# Allegro board FMDEMOD-Long.brd
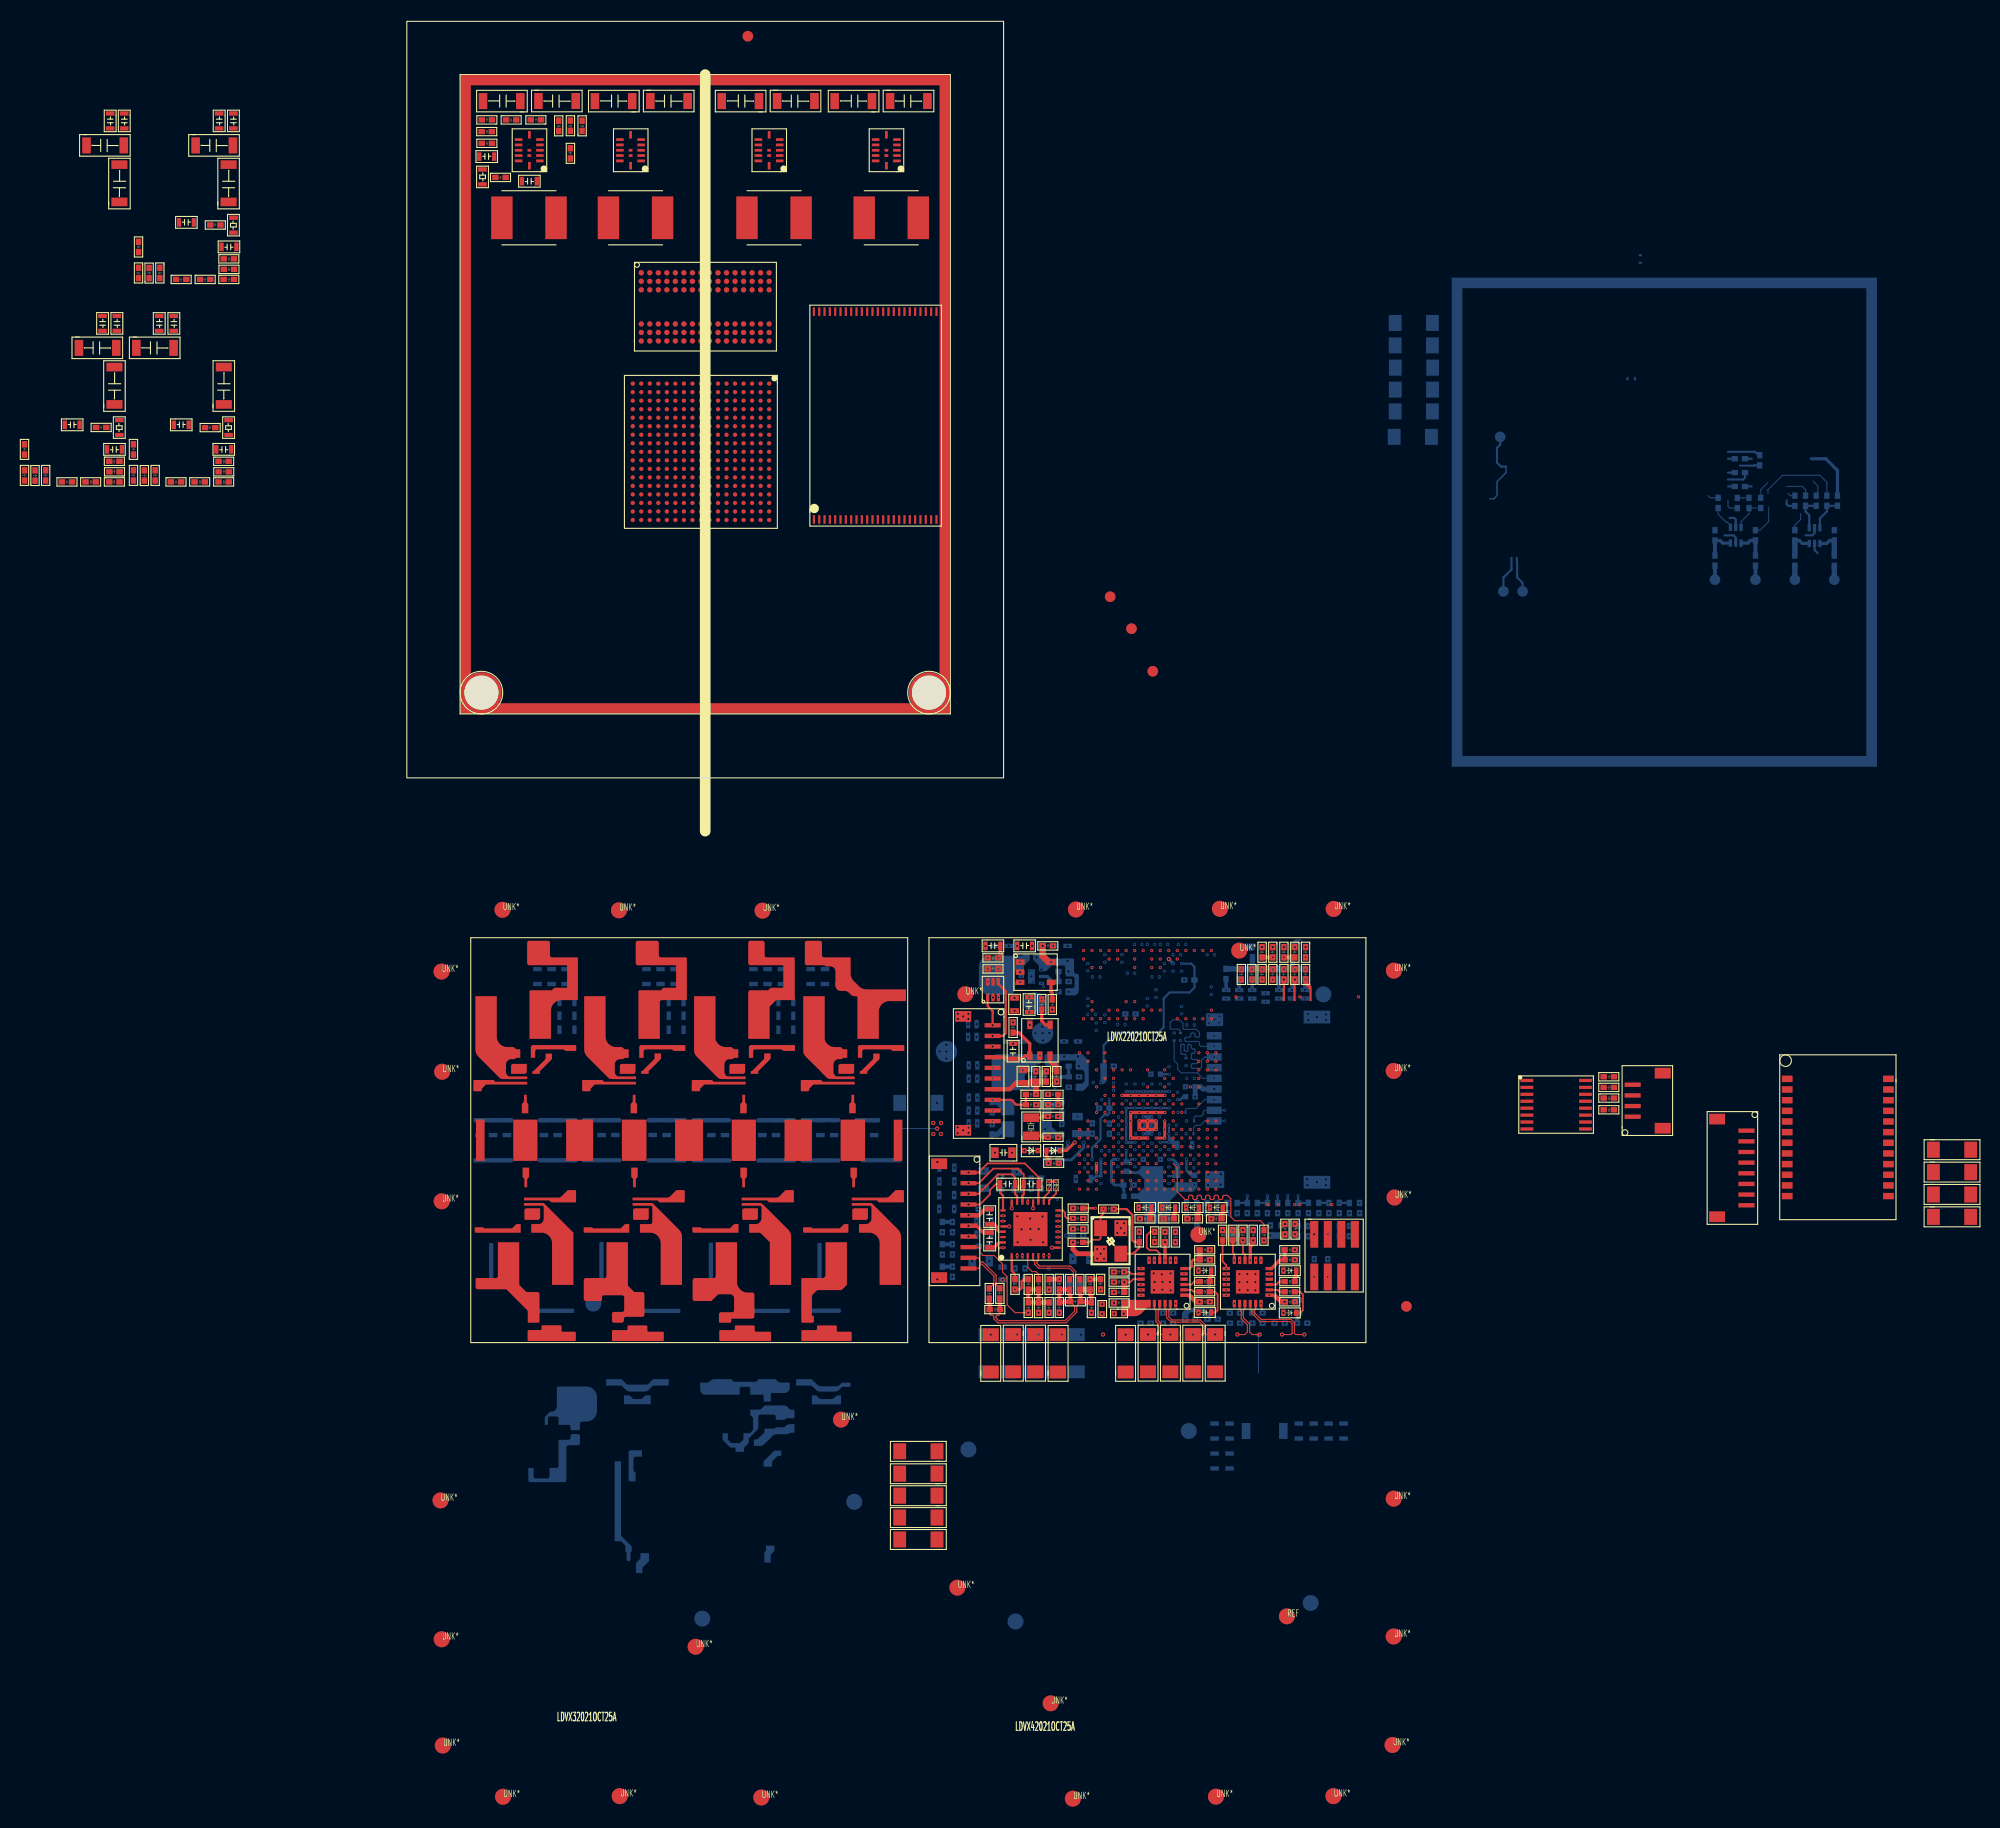
[diagram p0: board, top side]
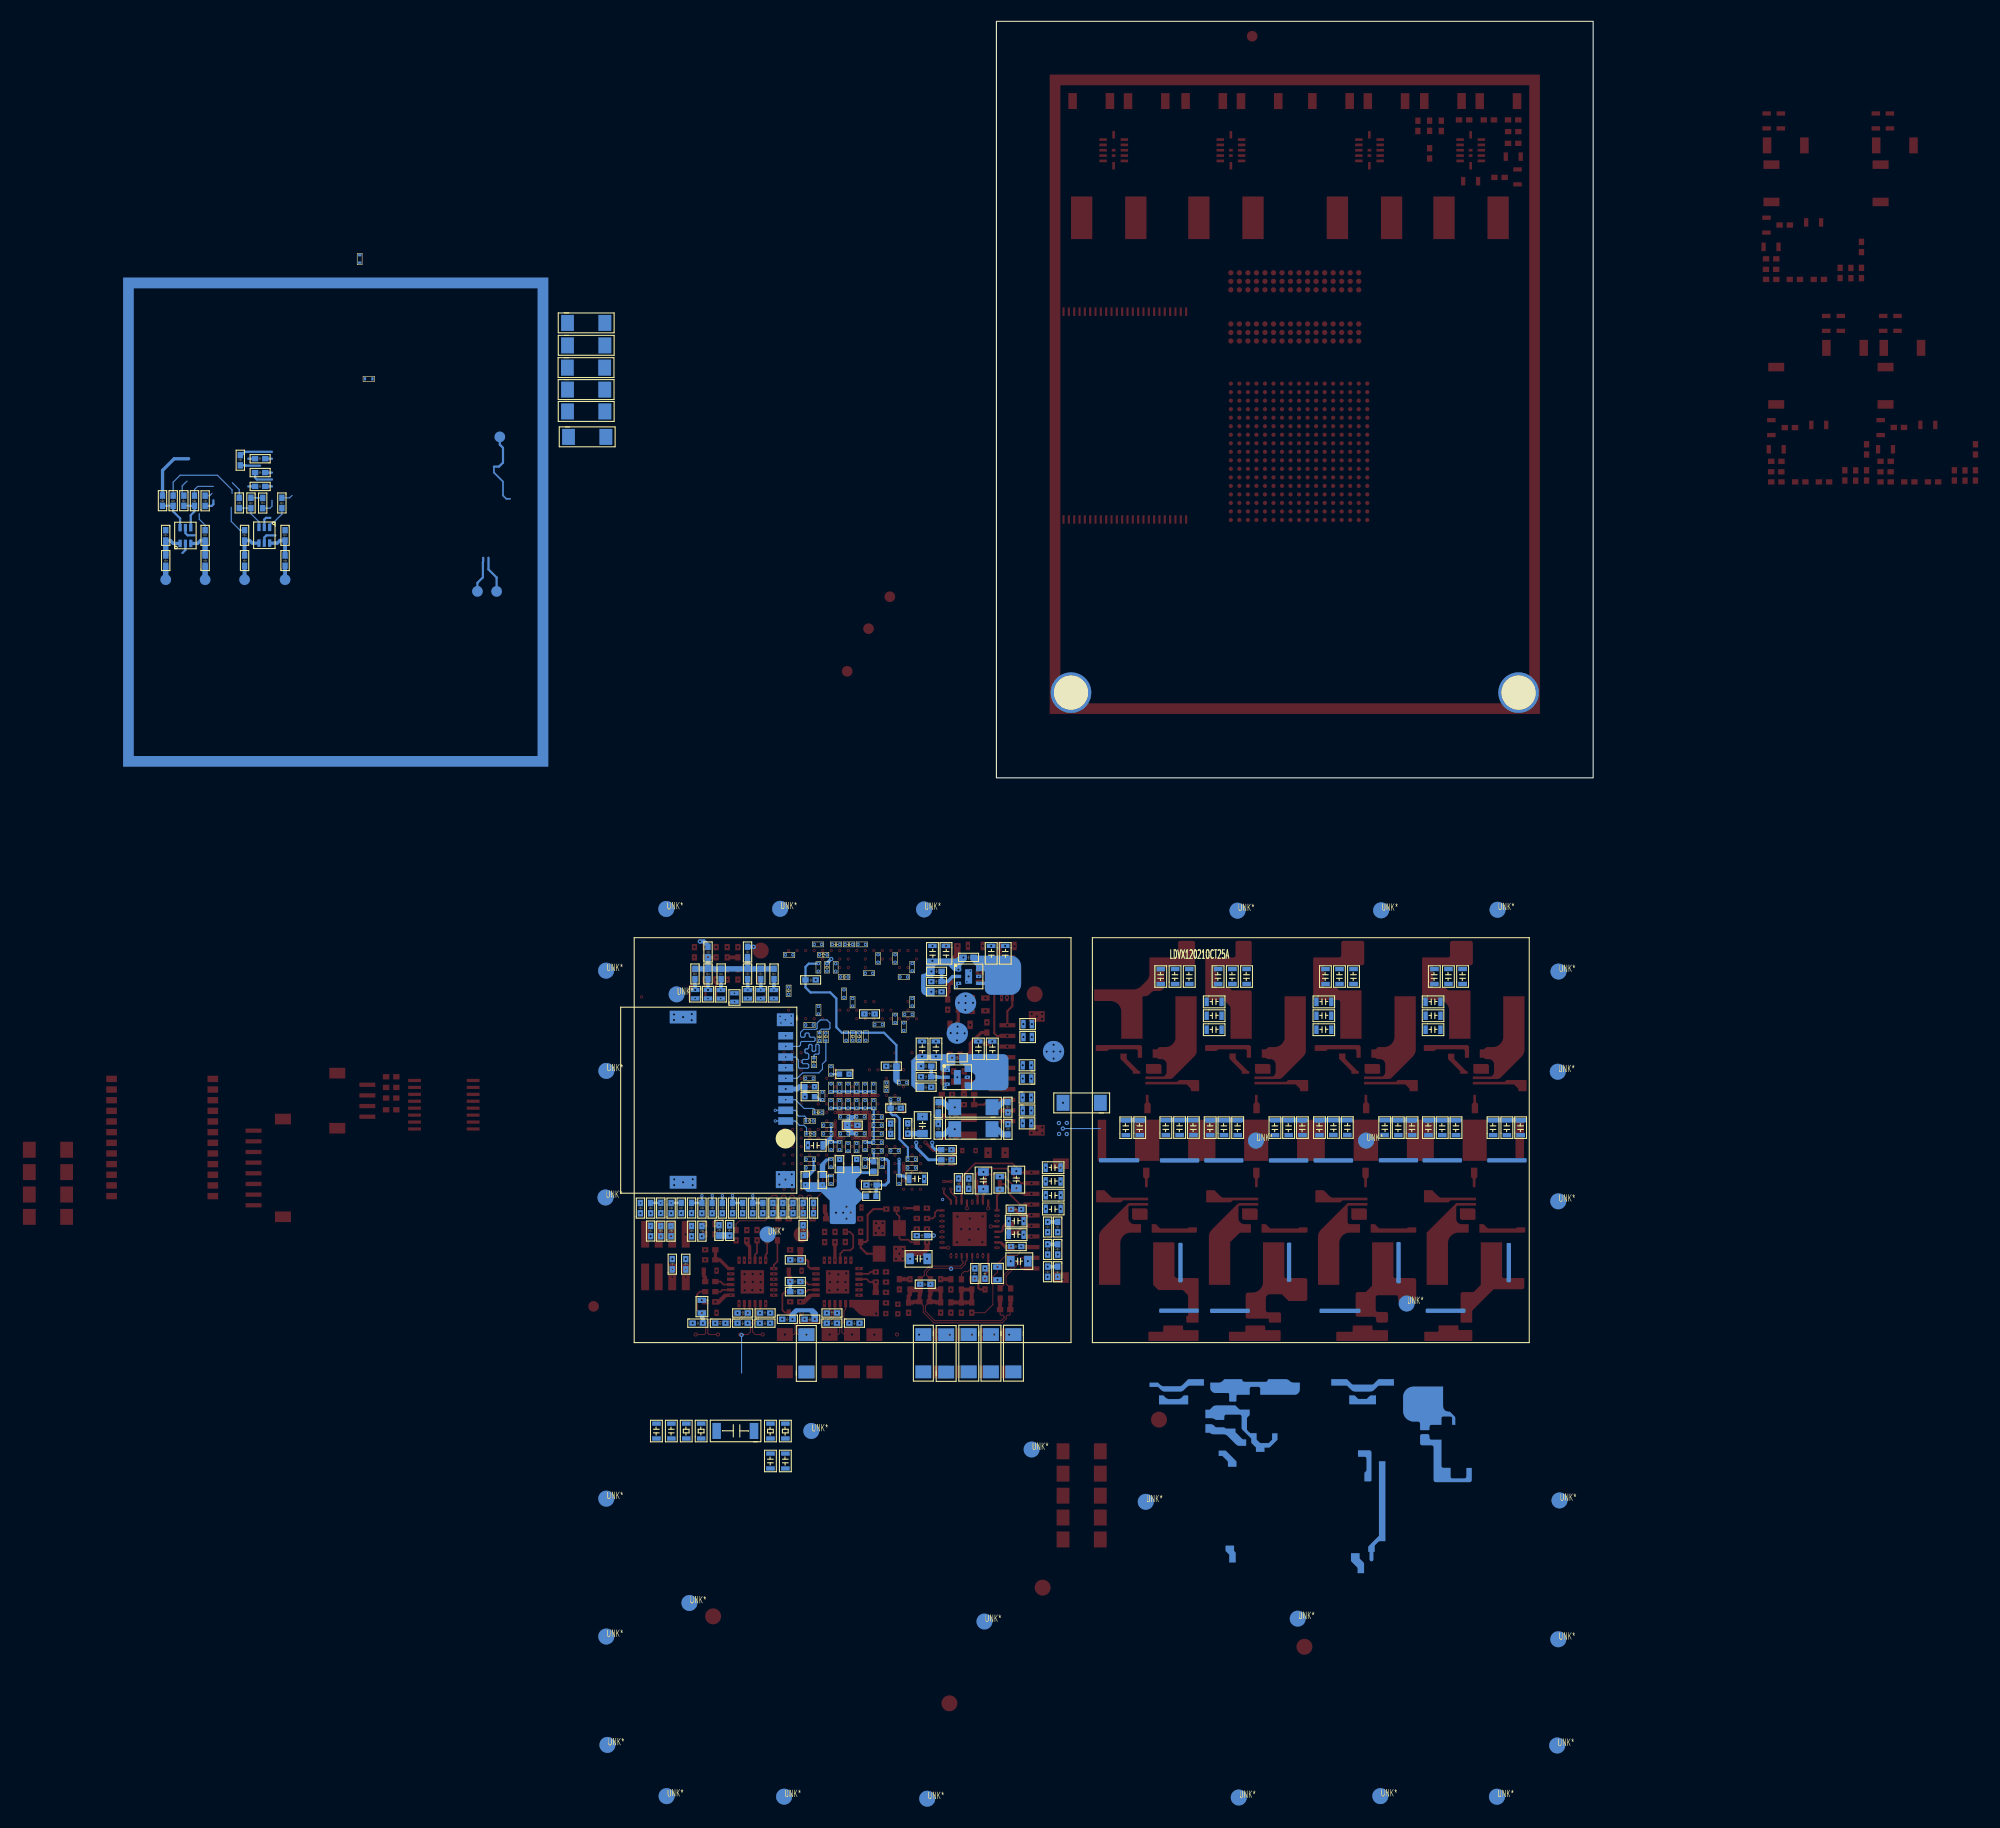
[diagram p1: board, bottom side, seen from below]

Outline 56 x 71 mm; copper layers: TOP, GND-L2, SIGNAL-L3, SIGNAL-L4, GND-L5, PWR-L6, SIGNAL-L7, SIGNAL-L8, GND-L9, BOTTOM. Coordinates in mm from the lower left corner of the outline.
Outline path: rectangle 0,0 56,71

## Design rules (mm)
constraint set DEFAULT: min track width 0.1
net group BOOT_MODE0: nets BOOT_MODE0 N8015227
net group BOOT_MODE1: nets BOOT_MODE1 N8015335
net group CPU_UART3_RXD: nets CPU_UART3_RXD MCU_UART1_TXD
net group CPU_UART3_TXD: nets CPU_UART3_TXD MCU_UART1_RXD
net group CPU_UART4_TXD: nets CPU_UART4_TXD CPU_UART4_TXD_X
net group E1R+: nets E1R+ ENET1_RXP
net group E1R-: nets E1R- ENET1_RXN
net group E1T+: nets E1T+ ENET1_TXP
net group E1T-: nets E1T- ENET1_TXN
net group E2R+: nets E2R+ ENET2_RXP
net group E2R-: nets E2R- ENET2_RXN
net group E2T+: nets E2T+ ENET2_TXP
net group E2T-: nets E2T- ENET2_TXN
net group ENET1_LED1: nets ENET1_LED1 N4216158
net group ENET1_LED2: nets ENET1_LED2 N4216162
net group ENET1_RX: nets ENET1_RX+ ENET1_RX-
net group ENET1_TX: nets ENET1_TX+ ENET1_TX-
net group ENET1_TX_CLK: nets ENET1_TX_CLK N4219956
net group ENET2_LED1: nets ENET2_LED1 N4226540
net group ENET2_LED2: nets ENET2_LED2 N4226544
net group ENET2_RX: nets ENET2_RX+ ENET2_RX-
net group ENET2_TX: nets ENET2_TX+ ENET2_TX-
net group ENET2_TX_CLK: nets ENET2_TX_CLK N4226762
net group FPGA_SPI2_CS: nets FPGA_SPI2_CS MCU_SPI2_NSS
net group FPGA_SPI2_MISO: nets FPGA_SPI2_MISO MCU_SPI2_MISO
net group FPGA_SPI2_MOSI: nets FPGA_SPI2_MOSI MCU_SPI2_MOSI
net group FPGA_SPI2_SCLK: nets FPGA_SPI2_SCLK MCU_SPI2_SCK
net group HP_L: nets HP_L N6357472
net group HP_R: nets HP_R N6357497
net group MCU_RST_CPU: nets MCU_RST_CPU NRST_CPU
net group N7119824: nets N7119824 N7119964
net group N7119928: nets N7119928 N7120000
net group N8184327: nets N8184327 N8184405
net group N8185005: nets N8185005 N8185070
net group N8189530: nets N8189530 N8189538
net group N8193321: nets N8193321 N8193329
net group N8193859: nets N8193859 N8193943
net group N8195603: nets N8195603 N8195611
net group N8196141: nets N8196141 N8196225
net group PMIC_ON_REQ: nets N8189916 PMIC_ON_REQ
net group POWER_GOOD: nets N8190068 POWER_GOOD
net group SDQS0N: nets SDQS0N SDQS0P
net group SDQS1N: nets SDQS1N SDQS1P
net group SPK_LN: nets SPK_LN SPK_LP
net group SPK_RN: nets SPK_RN SPK_RP
net group USB_OTG1_D: nets USB_OTG1_DN USB_OTG1_DP
net group USB_OTG2_D: nets USB_OTG2_DN USB_OTG2_DP
net group XTALI: nets XTALI XTALO
net group 232_TXD: nets 232_TXD N7132401 N7303091 N7304159
net group AUDIO_OUT: nets AUDIO_OUT MIC1_IN MIC1P MIC2N MIC2N_IN MIC2N_IN2 MIC2P MIC2P_IN MIC2P_IN2 MICBIAS N4966591 N4966598 N4966923 N4971120
net group CPU_RST_MCU: nets CPU_RST_MCU FPGA_RST_MCU NRST_MCU
net group CPU_UART2_RXD: nets CPU_UART2_RXD ECSPI3_SCLK FPGA_SPI_SCLK
net group CPU_UART2_TXD: nets CPU_UART2_TXD ECSPI3_CS0 FPGA_SPI_CS
net group CPU_UART4_RXD: nets CPU_UART4_RXD CPU_UART4_RXD_X FPGA_UART_TXD
net group ECSPI3_MISO: nets ECSPI3_MISO FPGA_SPI_MISO N7356015
net group ECSPI3_MOSI: nets ECSPI3_MOSI FPGA_SPI_MOSI N7355971
net group LASER_TXD: nets LASER_TXD N7132405 N7132819 N7303177
net group LCD_DATA5: nets LCD_DATA5 LCD_DATA7 N7060523
net group LCD_DATA11: nets LCD_DATA6 LCD_DATA11 N7060478
net group MCU_UART3_RXD: nets MCU_UART3_RXD N7120840 N7301618
net group MCU_UART3_TXD: nets MCU_UART3_TXD N7120004 N7120715
net group MCU_UART4_RXD: nets MCU_UART4_RXD N7121019 N7301693
net group MCU_UART4_TXD: nets MCU_UART4_TXD N7121024 N7301681
net group MG4: nets SAI2_BCLK SAI2_MCLK SAI2_RXD SAI2_SYNC SAI2_TXD
net group MG5: nets ENET1_CRS_DV ENET1_RXD0 ENET1_RXD1 ENET1_RXER ENET1_TXD0 ENET1_TXD1 ENET1_TXEN
net group MG6: nets ENET2_CRS_DV ENET2_RXD0 ENET2_RXD1 ENET2_RXER ENET2_TXD0 ENET2_TXD1 ENET2_TXEN
net group MG_DATA0-7: nets D0 D1 D2 D3 D4 D5 D6 D7 DQM0
net group MG_DATA8-15: nets D8 D9 D10 D11 D12 D13 D14 D15 DQM1
net group MG_SDRAM_ADDRESS: nets BA0 BA1 BA2 CS0 CS1
net group N4254817: nets N4254817 N4254839 N4254858 N4255061 N4255753
net group NG1: nets A0 A1 A2 A3 A4 A5 A6 A7 A8 A9 A10 A11 A12 A13 A14 A15
net group PHY_UART_RX1: nets N7132397 N7303129 N7304177 PHY_UART_RX1
net group TTL_TXD: nets N7132409 N7132815 N7303150 TTL_TXD

## Placement (name value [footprint] x y rotation side)
C1  10uF  [C0603]  54.2 -16.17 0 top
C2  10uF  [C0603]  57.17 -16.17 0 top
C3  0.1uF  [C0402]  60.64 -15.52 180 top
C4  0.1uF/25V  [C0603]  -28.24 62.45 270 top
C5  0.1uF/25V  [C0603]  -26.92 62.45 270 top
C6  0.1uF/25V  [C0603]  -18.01 62.45 270 top
C7  0.1uF/25V  [C0603]  -16.68 62.45 270 top
C8  0.1uF/25V  [C0603]  -28.95 43.45 270 top
C9  0.1uF/25V  [C0603]  -27.61 43.45 270 top
C10  0.1uF/25V  [C0603]  -23.64 43.45 270 top
C11  0.1uF/25V  [C0603]  -22.27 43.45 270 top
C12  0.1uF  [C0402]  54.51 -17.14 0 top
C13  0.1uF  [C0402]  55.5 -17.68 180 top
C14  0.1uF  [C0402]  82.05 -17.96 270 top
C15  0.1uF  [C0402]  83.08 -17.96 270 top
C16  0.1uF  [C0402]  84.08 -17.96 270 top
C17  22uF/25V  [C1206]  -29.91 58.57 0 top
C18  22uF/25V  [C1206]  -19.67 58.57 0 top
C19  22uF/25V  [C1206]  -30.62 39.57 0 top
C20  22uF/25V  [C1206]  -25.23 39.57 0 top
C21  10uF  [C0603]  58.8 -22.07 90 top
C22  0.01uF  [C0402]  60.82 -21.76 90 top
C23  22uF/25V  [C1206]  -26.18 54.2 90 top
C24  22uF/25V  [C1206]  -15.94 54.2 90 top
C25  22uF/25V  [C1206]  -26.64 35.2 90 top
C26  22uF/25V  [C1206]  -16.39 35.2 90 top
C27  10uF  [C0603]  57.29 -26.45 90 top
C28  0.1uF  [C0603]  12.3 56.4 180 top
C29  0.1uF  [C0603]  -21.48 51.73 0 top
C30  0.1uF  [C0603]  -32.2 32.73 0 top
C31  0.1uF  [C0603]  -21.97 32.73 0 top
C32  1uF/10V  [C0402]  -17.48 52.13 180 top
C33  1uF/10V  [C0402]  -28.19 33.13 180 top
C34  1uF/10V  [C0402]  -17.96 33.12 180 top
C35  1uF/10V  [C0402]  8.3 56.1 0 top
C36  0.1uF  [C0402]  58.77 -27.53 270 top
C37  10uF  [C0402]  59.76 -27.53 270 top
C38  100pF/25V  [C0603]  6.7 57.9 0 top
C39  150pF/25V  [C0603]  -15.89 50.23 180 top
C40  100pF/25V  [C0603]  -26.63 31.23 180 top
C41  100pF/25V  [C0603]  -16.38 31.23 180 top
C42  0.1uF  [C0402]  15.1 59.1 270 top
C43  0.1uF  [C0402]  -24.93 49.33 90 top
C44  0.1uF  [C0402]  -35.62 30.33 90 top
C45  0.1uF  [C0402]  -25.4 30.33 90 top
C46  0.1uF  [C0402]  61.13 -30.42 180 top
C47  15nF  [C0402]  12.6 62 180 top
C48  15nF  [C0402]  -21.66 46.53 0 top
C49  15nF  [C0402]  -32.38 27.53 0 top
C50  15nF  [C0402]  -22.15 27.53 0 top
C51  18pF  [C0402]  61.13 -31.52 180 top
C52  22uF/50V  [C1206]  32.9 64.3 180 top
C53  22uF/50V  [C1206]  34.9 62.73 0 top
C54  22uF/50V  [C1206]  45.5 62.73 0 top
C55  22uF/50V  [C1206]  43.5 64.3 180 top
C56  22uF/50V  [C1206]  10.5 64.3 180 top
C57  22uF/50V  [C1206]  12.5 62.73 0 top
C58  22uF/50V  [C1206]  21 64.3 180 top
C59  22uF/50V  [C1206]  23 62.73 0 top
C60  18pF  [C0402]  61.13 -33.48 180 top
C73  15pF/50V  [C0603]  55.58 -38.53 0 top
C74  15pF/50V  [C0603]  57.79 -38.53 0 top
C83  10uF  [C0603]  55.1 -41.97 90 top
C92  0.1uF  [C0402]  83.6 -42.84 90 top
C93  0.1uF  [C0402]  82.65 -42.85 90 top
C94  0.1uF  [C0402]  79.67 -43.41 90 top
C95  18pF  [C0402]  68.48 -42.59 270 top
C96  0.1uF  [C0402]  71.4 -43.58 90 top
C97  10uF  [C0603]  55.1 -44.18 90 top
C98  18pF  [C0402]  62.5 -43.84 0 top
C99  10uF  [C0402]  74.38 -44.54 0 top
C100  10uF  [C0402]  82.36 -44.54 0 top
C101  0.1uF  [C0402]  82.36 -45.48 0 top
C102  0.1uF  [C0402]  74.38 -45.48 0 top
C107  1uF  [C0402]  59.53 -48.03 90 top
C108  100nF  [C0402]  62.44 -48.03 90 top
C109  100nF  [C0402]  63.4 -48.03 90 top
C110  0.1uF  [C0402]  67.33 -48.04 180 top
C111  33pF  [C0402]  63.23 -48.91 180 top
C112  0.1uF  [C0402]  74.38 -49.42 0 top
C113  0.1uF  [C0402]  82.36 -49.42 0 top
C114  0.1uF  [C0402]  67.33 -49.03 180 top
C121  220pF  [C0402]  60.02 -49.22 270 top
C122  33pF  [C0402]  60.98 -49.22 270 top
C123  33pF  [C0402]  64.49 -50.21 90 top
C245  0.22uF  [C0201]  73.05 -15.78 180 bottom
C246  0.22uF  [C0201]  68.93 -15.78 180 bottom
C247  0.1uF  [C0402]  82.81 -16.83 90 bottom
C248  10uF  [C0402]  79.1 -16.83 90 bottom
C249  10uF  [C0603]  62.4 -15.67 270 bottom
C250  10uF  [C0603]  61.14 -15.67 270 bottom
C251  10uF  [C0603]  56.89 -15.67 270 bottom
C252  10uF  [C0603]  55.58 -15.67 270 bottom
C253  0.22uF  [C0201]  75.15 -16.45 0 bottom
C254  0.22uF  [C0201]  67.25 -16.65 270 bottom
C255  0.22uF  [C0201]  65.65 -16.65 270 bottom
C256  0.22uF  [C0201]  64.05 -17.46 270 bottom
C257  0.22uF  [C0201]  72.85 -17.49 270 bottom
C258  0.22uF  [C0201]  71.23 -17.49 270 bottom
C259  0.22uF  [C0201]  68.25 -18.49 180 bottom
C260  0.1uF/25V  [C0603]  40.17 -19.44 90 bottom
C261  0.1uF/25V  [C0603]  38.84 -19.44 90 bottom
C262  0.1uF/25V  [C0603]  37.5 -19.44 90 bottom
C263  0.1uF/25V  [C0603]  34.79 -19.44 90 bottom
C264  0.1uF/25V  [C0603]  33.46 -19.44 90 bottom
C265  0.1uF/25V  [C0603]  32.12 -19.44 90 bottom
C266  0.1uF/25V  [C0603]  24.72 -19.44 90 bottom
C267  0.1uF/25V  [C0603]  23.4 -19.44 90 bottom
C268  0.1uF/25V  [C0603]  22.09 -19.44 90 bottom
C269  0.1uF/25V  [C0603]  14.5 -19.44 90 bottom
C270  0.1uF/25V  [C0603]  13.18 -19.44 90 bottom
C271  0.1uF/25V  [C0603]  11.85 -19.44 90 bottom
C272  2.2pF  [C0201]  64.99 -18.83 180 bottom
C273  10uF  [C0402]  73.92 -19.21 180 bottom
C274  0.22uF  [C0201]  70.15 -20.55 90 bottom
C275  0.1uF/25V  [C0603]  36.36 -21.43 180 bottom
C276  0.1uF/25V  [C0603]  26.07 -21.43 180 bottom
C277  0.1uF/25V  [C0603]  15.83 -21.43 180 bottom
C278  0.22uF  [C0201]  63.75 -21.35 90 bottom
C279  0.22uF  [C0201]  69.35 -21.36 90 bottom
C280  0.22uF  [C0201]  72.55 -22.1 90 bottom
C281  2.2pF  [C0402]  67.41 -21.91 0 bottom
C282  0.22uF  [C0201]  63.95 -22.05 0 bottom
C283  0.1uF/25V  [C0603]  36.36 -22.73 180 bottom
C284  0.1uF/25V  [C0603]  26.07 -22.73 180 bottom
C285  0.1uF/25V  [C0603]  15.83 -22.73 180 bottom
C286  0.22uF  [C0201]  65.65 -22.31 270 bottom
C287  0.22uF  [C0201]  67.35 -23.3 180 bottom
C288  0.22uF  [C0201]  73.84 -23.34 180 bottom
C289  0.22uF  [C0201]  64.84 -23.05 270 bottom
C290  0.1uF/25V  [C0603]  36.36 -24.04 180 bottom
C291  0.1uF/25V  [C0603]  26.07 -24.04 180 bottom
C292  0.1uF/25V  [C0603]  15.83 -24.04 180 bottom
C293  0.1uF  [C0201]  69.95 -24.58 90 bottom
C294  0.1uF  [C0201]  68.41 -23.97 270 bottom
C295  10uF  [C0603]  63.38 -24.63 270 bottom
C296  10uF  [C0603]  62.08 -24.63 270 bottom
C297  10uF  [C0603]  58.1 -24.63 270 bottom
C298  10uF  [C0603]  56.79 -24.63 270 bottom
C299  10uF  [C0402]  65.37 -26.81 0 bottom
C300  0.1uF  [C0201]  71.37 -27.76 90 bottom
C301  0.1uF  [C0201]  73.84 -28.35 180 bottom
C302  0.22uF  [C0201]  65.07 -28.74 180 bottom
C303  0.22uF  [C0201]  71.37 -29.38 90 bottom
C304  0.22uF  [C0201]  70.57 -29.38 90 bottom
C305  0.22uF  [C0201]  69.77 -29.38 90 bottom
C306  0.22uF  [C0201]  68.97 -29.38 90 bottom
C307  0.22uF  [C0201]  68.17 -29.38 90 bottom
C308  0.22uF  [C0201]  67.37 -29.38 90 bottom
C309  0.1uF  [C0201]  72.47 -29.55 270 bottom
C310  0.22uF  [C0201]  65.86 -30.34 180 bottom
C311  0.22uF  [C0201]  71.37 -30.94 90 bottom
C312  0.1uF  [C0201]  70.57 -30.94 90 bottom
C313  0.1uF  [C0201]  69.77 -30.94 90 bottom
C314  0.1uF  [C0201]  68.97 -30.94 90 bottom
C315  0.22uF  [C0201]  68.17 -30.94 90 bottom
C316  0.22uF  [C0201]  67.37 -30.94 90 bottom
C317  22uF  [C0402]  65.93 -31.25 180 bottom
C318  0.22uF  [C0201]  69.97 -31.65 0 bottom
C319  0.22uF  [C0201]  69.05 -31.95 180 bottom
C320  0.1uF  [C0201]  67.45 -31.98 180 bottom
C321  0.22uF  [C0201]  67.45 -32.74 180 bottom
C322  10uF  [C0805]  63.55 -31.59 270 bottom
C323  0.22uF  [C0201]  71.56 -32.45 0 bottom
C324  0.22uF  [C0402]  70.02 -32.85 180 bottom
C325  0.1uF/50V  [C0603]  39.7 -33.62 90 bottom
C326  0.1uF/50V  [C0603]  38.41 -33.62 90 bottom
C327  0.1uF/50V  [C0603]  37.12 -33.62 90 bottom
C328  0.1uF/50V  [C0603]  35.54 -33.63 90 bottom
C329  0.1uF/50V  [C0603]  34.24 -33.63 90 bottom
C330  0.1uF/50V  [C0603]  32.96 -33.63 90 bottom
C331  0.1uF/50V  [C0603]  29.46 -33.63 90 bottom
C332  0.1uF/50V  [C0603]  28.18 -33.63 90 bottom
C333  0.1uF/50V  [C0603]  26.89 -33.63 90 bottom
C334  0.1uF/50V  [C0603]  25.28 -33.63 90 bottom
C335  0.1uF/50V  [C0603]  24.79 -32.02 270 bottom
C336  0.1uF/50V  [C0603]  23.48 -32.02 270 bottom
C337  0.1uF/50V  [C0603]  19.97 -32.02 270 bottom
C338  0.1uF/50V  [C0603]  17.89 -33.63 90 bottom
C339  0.1uF/50V  [C0603]  16.59 -33.63 90 bottom
C340  0.1uF/25V  [C0603]  15.06 -33.63 90 bottom
C341  0.1uF/25V  [C0603]  13.76 -33.63 90 bottom
C342  0.1uF/25V  [C0603]  12.47 -33.63 90 bottom
C343  0.1uF/25V  [C0603]  8.99 -33.63 90 bottom
C344  0.1uF/25V  [C0603]  7.69 -33.63 90 bottom
C345  0.1uF/25V  [C0603]  6.4 -33.63 90 bottom
C346  0.1uF/50V  [C0603]  42.15 -33.63 90 bottom
C347  0.1uF/50V  [C0603]  43.45 -33.63 90 bottom
C348  0.1uF  [C0402]  64.58 -32.42 270 bottom
C349  0.22uF  [C0402]  65.68 -33.42 90 bottom
C350  0.22uF  [C0201]  69.97 -33.25 0 bottom
C351  0.22uF  [C0201]  69.05 -33.55 180 bottom
C352  0.22uF  [C0201]  67.45 -33.55 180 bottom
C353  0.22uF  [C0201]  71.56 -33.25 0 bottom
C354  0.22uF  [C0201]  67.45 -34.35 180 bottom
C355  10uF  [C0603]  72.19 -34.08 0 bottom
C356  0.22uF  [C0201]  71.66 -34.24 270 bottom
C357  0.22uF  [C0201]  70.87 -34.24 270 bottom
C358  0.22uF  [C0201]  68.47 -34.24 270 bottom
C359  0.1uF  [C0201]  69.77 -34.96 90 bottom
C360  0.1uF  [C0201]  68.97 -34.96 90 bottom
C361  0.1uF  [C0402]  60.21 -34.64 0 bottom
C362  0.1uF  [C0201]  67.45 -35.15 180 bottom
C363  0.1uF  [C0201]  65.86 -35.15 180 bottom
C388  0.1uF  [C0201]  73.21 -35.65 0 bottom
C389  0.22uF  [C0201]  64.25 -35.95 180 bottom
C390  0.1uF  [C0402]  60.2 -35.59 0 bottom
C391  0.1uF  [C0201]  68.47 -35.84 270 bottom
C392  0.22uF  [C0201]  66.87 -35.84 270 bottom
C393  0.1uF  [C0201]  71.67 -35.86 270 bottom
C394  15pF/50V  [C0603]  51.48 -36.99 180 bottom
C395  0.1uF  [C0201]  73.21 -36.45 0 bottom
C396  0.22uF  [C0201]  64.25 -36.75 180 bottom
C397  22uF  [C0603]  64.28 -38.04 180 bottom
C398  10uF  [C0805]  54.75 -36.71 270 bottom
C399  0.22uF  [C0201]  65.28 -37.42 270 bottom
C400  0.1uF  [C0201]  71.67 -37.42 270 bottom
C401  10uF  [C0805]  57.84 -36.79 270 bottom
C402  15pF/50V  [C0603]  51.48 -38.27 180 bottom
C403  0.1uF  [C0402]  59.81 -37.59 270 bottom
C404  0.1uF  [C0402]  58.34 -38.58 90 bottom
C405  0.22uF  [C0402]  67.23 -37.96 0 bottom
C406  15pF/50V  [C0603]  49.87 -38.76 0 bottom
C407  15pF/50V  [C0603]  49.87 -40.05 0 bottom
C408  0.1uF  [C0402]  54.64 -40.73 180 bottom
C409  0.1uF  [C0603]  54.95 -42 180 bottom
C410  220pF  [C0402]  50.5 -41.66 270 bottom
C411  10uF  [C0603]  54.95 -43.27 180 bottom
C412  0.1uF  [C0402]  54.64 -44.23 180 bottom
C417  220pF  [C0402]  51.44 -43.76 270 bottom
C418  10uF  [C0805]  62.3 -44.52 0 bottom
C419  10uF  [C0805]  54.85 -45.98 180 bottom
C424  1uF  [C0402]  58.27 -46.03 270 bottom
C425  1uF  [C0402]  57.32 -46.03 270 bottom
C430  0.1uF  [C0402]  75.36 -47.52 180 bottom
C431  10uF  [C0402]  63.17 -47.77 180 bottom
C444  0.1uF  [C0402]  77.22 -49.97 0 bottom
C475  10nF/1kV  [C1206]  78.9 -60.5 0 bottom
C476  1nF  [C0603]  87.5 -62.1 90 bottom
C477  1nF  [C0603]  86.1 -62.1 90 bottom
C496  1nF  [C0603]  76.8 -64.91 90 bottom
C497  1nF  [C0603]  75.4 -64.91 90 bottom
C515  0.1uF  [C0201]  115.6 48.4 90 bottom
C539  0.1uF  [C0201]  114.6 37.6 0 bottom
C591  0.1uF  [C0402]  112.3 -28.3 0 top
C596  0.1uF  [C0402]  127.2 30.3 270 bottom
C601  0.1uF  [C0402]  124.6 28.9 0 bottom
C607  0.1uF  [C0402]  124.6 30.2 0 bottom
C611  0.1uF  [C0402]  124.6 27.6 0 bottom
D1  RB521S-30  [SOD523]  59.2 -34.55 180 top
D2  RB521S-30  [SOD523]  61.28 -34.55 180 top
D3  BLUE  [LED0402]  68.77 -40.58 0 top
D4  BLUE  [LED0402]  71 -40.58 0 top
D5  BLUE  [LED0402]  73.23 -40.58 0 top
D6  BLUE  [LED0402]  75.47 -40.58 0 top
D7  LED  [LED0402]  75.38 -46 180 top
D8  LED  [LED0402]  83.36 -46 180 top
D9  LED  [LED0402]  75.38 -49.92 180 top
D10  LED  [LED0402]  83.36 -49.95 180 top
D26  ESD5451X  [DF1006]  84.57 -19.8 270 bottom
D27  ESD5451X  [DF1006]  83.36 -19.8 270 bottom
D28  ESD5451X  [DF1006]  82.16 -19.81 270 bottom
D29  ESD5451X  [DF1006]  79.63 -19.81 270 bottom
D30  ESD5451X  [DF1006]  78.41 -19.81 270 bottom
D31  ESD5451X  [DF1006]  77.19 -19.81 270 bottom
D32  ESD5451X  [DF1006]  80.28 -21.11 90 bottom
D33  ESD5451X  [DF1006]  53.57 -23.41 180 bottom
D34  ESD5451X  [DF1006]  53.57 -24.62 180 bottom
D35  ESD5451X  [DF1006]  52.63 -26.67 0 bottom
D36  ESD5451X  [DF1006]  52.63 -27.92 0 bottom
D37  ESD5451X  [DF1006]  53.64 -30.3 180 bottom
D38  ESD5451X  [DF1006]  53.63 -31.52 180 bottom
D39  ESD5451X  [DF1006]  53.62 -32.72 180 bottom
J1  HEADER1X10  [SH1D0-SMD-VER-10P]  51.56 -21.98 270 top
J2  HEADER1X10  [SH1D0-SMD-VER-10P]  49.3 -35.8 270 top
J3  HEADER-2X4  [SMD-HEADER-2X4-1D27]  84.5 -48 0 top
J5  MicroSDSlot  [MICROSD-SMD-9P]  83.3 -30.2 270 bottom
J6  HEADER1X8  [SH1D0-SMD-VER-8P]  122.3 -31.6 270 top
J21  HEADER-1X4  [SH1D0-SMD-VER-4P]  118.5 -33.3 90 top
L1  BLM18SP102SN1D  [FB0603]  56.63 -20.46 270 top
L2  4.7uH/2A  [CD54-IND-2P]  14 55.1 180 top
L3  4.7uH/2A  [CD54-IND-2P]  24 55.1 180 top
L4  2.2uH/2A  [CD54-IND-2P]  37 55.1 180 top
L5  2.2uH/2A  [CD54-IND-2P]  48 55.1 180 top
L6  BLM18SP102SN1D  [FB0603]  57.42 -27.22 270 top
L11  BLM18SP102SN1D  [FB0402]  65.01 -49.35 270 top
L12  BLM18SP102SN1D  [FB0402]  66.33 -50.51 0 top
L23  BLM18SP102SN1D  [FB0402]  69.77 -27.56 0 bottom
L24  BLM18SP102SN1D  [FB0402]  74.02 -29.22 180 bottom
L25  BLM18SP102SN1D  [FB0402]  74.02 -30.16 180 bottom
L26  BLM18SP102SN1D  [FB0402]  70.48 -36.75 90 bottom
L27  BLM18SP102SN1D  [FB0402]  68.87 -36.75 90 bottom
L28  BLM18SP102SN1D  [FB0402]  67.27 -36.98 90 bottom
L29  BLM18SP102SN1D  [FB0402]  73.68 -38.25 90 bottom
L30  BLM18SP102SN1D  [FB0402]  72.08 -38.25 90 bottom